# Altium PCB spin5v1_simple.PcbDoc (part 13 of 25) (continued)
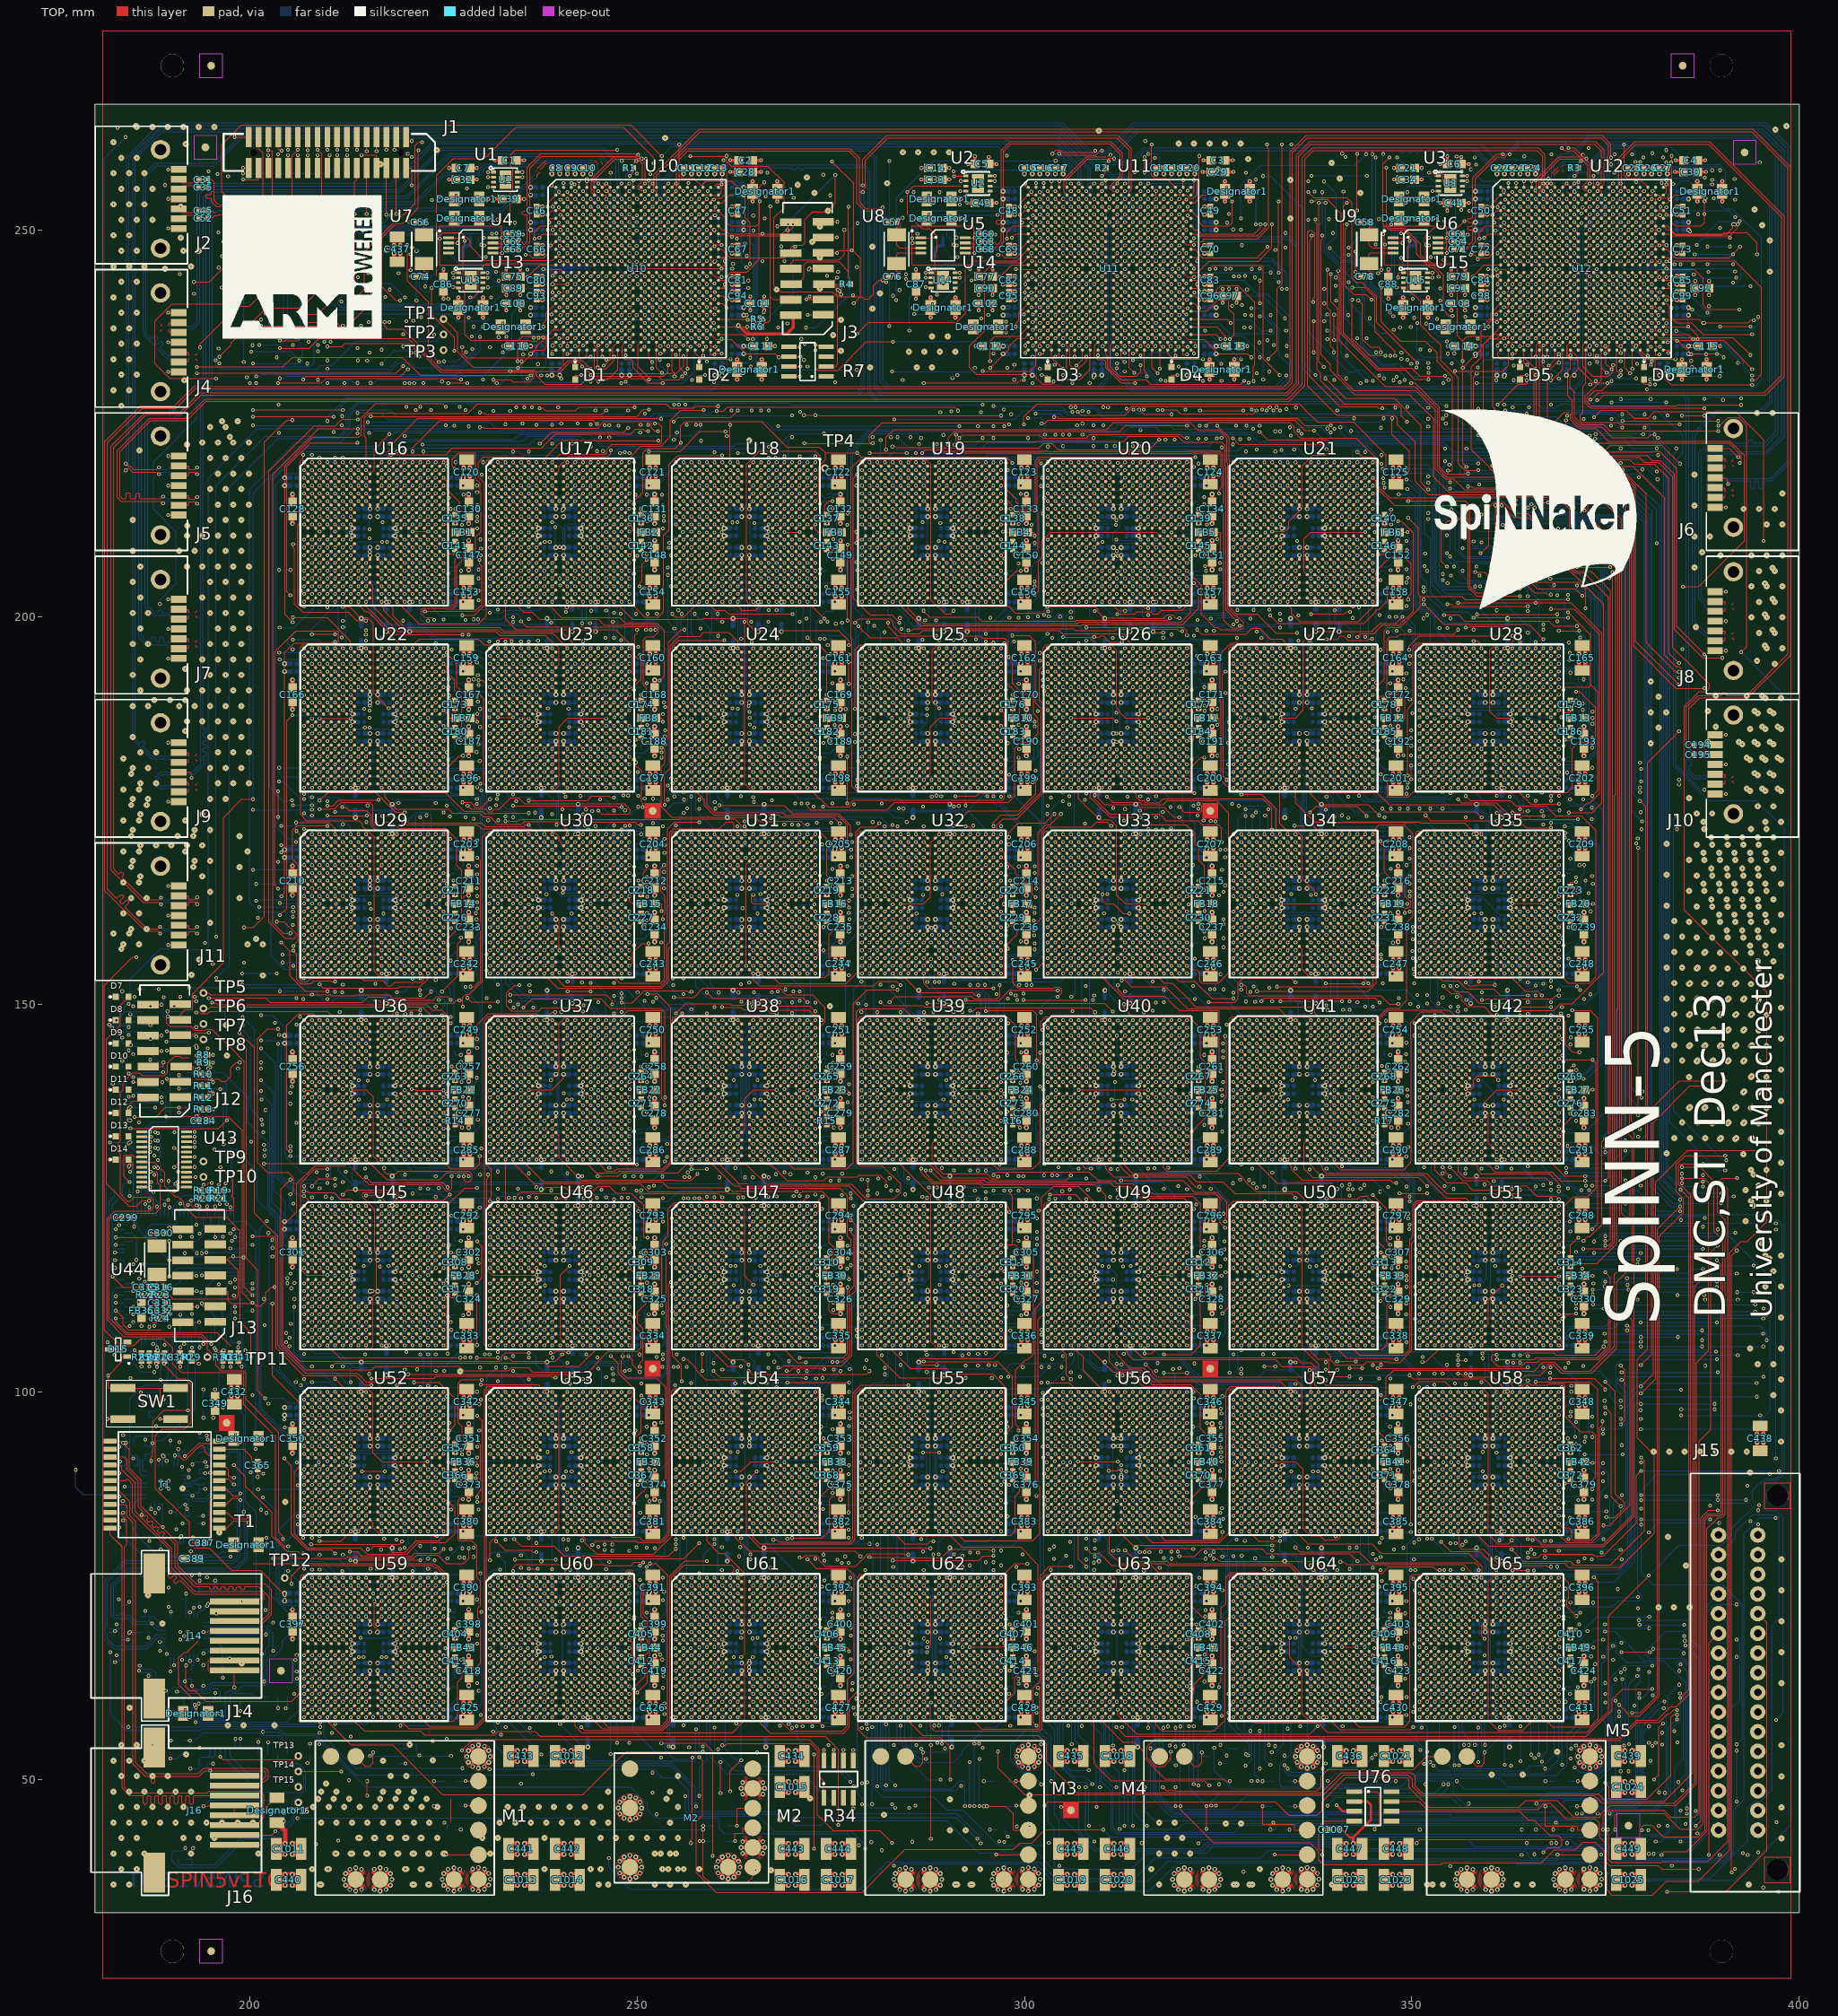
[diagram p0: TOP view]
## Nets (pads, with @x,y where several pads share a name; then routed paths per layer and width w, separated by ;. In a path a pad name is that pad's centre, name@x,y a point inside that pad or via, vN(x,y) a via of type N, cw(c..) or ccw(c..) an arc to the next point about the centre after c; other vN are vias at no path point) (continued)
  BOTTOM w0.127: v1(357,59) 357.431,58.569 357.431,57.945 358.003,57.373 358.588,57.373 359.033,56.928 359.033,54.074 359.351,53.756 359.749,53.756 361.4,55.407 v1(361.4,56.735) ; v1(373.747,216.177) 377.821,216.177 380.806,213.192 380.806,126.602 383.473,123.935 v1(384.656,123.935)
  other v1: 361.901,241.931
S32_L5<15>: U12.P3 U65.T7 | length 66.8
  BOTTOM w0.127: v1(357,60) 356.568,59.568 356.568,56.032 356.965,55.635 356.977,55.635 v1(358.171,54.441) ; v1(358.394,206.524) 358.825,206.955 366.583,206.955 366.782,206.756 366.782,205.126 368.243,203.665 372.197,203.665 373.658,202.204 373.658,191.09 373.773,190.975 373.773,186.674 v1(373.342,186.243) ; v1(358.532,232.271) 359.519,233.258 361.831,233.258 362.53,233.957 362.53,241.53 v1(363,242) ; v1(372.916,126.032) 379.132,126.032 379.926,125.238 379.926,125.233 381.831,123.328 v1(384.66,123.328)
  other v1: 372.865,164.4
S33_L0<0>: U12.P4 U64.R11 | length 44.8
  BOTTOM w0.127: v1(338,61) 337.569,61.431 336.768,61.431 336.569,61.232 336.569,55.456 336.823,55.202 336.843,55.202 337.179,54.866 350.05,54.866 v1(351.151,53.765) ; v1(367.599,224.47) 374.728,224.47 375.152,224.046 379.64,224.046 v1(380.071,224.477) ; v1(378.049,54.517) 378.049,62.231 v1(379.134,63.316)
  other v1: 337,60 379.486,178.015 379.486,181.229 364,242
S33_L0<1>: U12.P5 U64.V10
  other v1: 337,58 358.1,241.465 365,242
S33_L0<2>: U12.P6 U64.U10 | length 8
  BOTTOM w0.127: v1(366,242) 366.431,241.569 368.232,241.569 368.431,241.768 368.431,244.362 v1(369,244.931) ; v1(386.123,233.967) v1(388.042,233.967)
  other v1: 351.758,49.35 341.085,56.842 337,59 387.888,103.368 387.601,127.99
S33_L0<3>: U12.P7 U64.T10 | length 77.8
  BOTTOM w0.127: 337,60 337.431,59.569 337.431,56.073 338.384,55.12 350.439,55.12 351.582,53.977 v1(351.582,51.978) ; v1(355.84,49.75) 356.835,48.755 372.422,48.755 375.661,51.994 375.661,63.073 377.249,64.661 v1(381.091,64.661) ; v1(369.4,217.185) 369.831,217.185 370.146,216.87 378.72,216.87 381.641,213.949 v1(381.641,209.558)
  other v1: 367,242
S33_L0<4>: U12.P8 U64.R10
  other v1: 337,61 347.735,79.663 356.977,80.693 368,242
S33_L0<5>: U12.R1 U64.V11
  other v1: 338,58 361.099,241.066
S33_L0<6>: U12.R3 U64.U11
  other v1: 338,59 363,241
S33_L0<7>: U12.R4 U64.T11
  other v1: 338,60 346.116,60.607 362.951,66.931 364,153.351 364,241
S33_L0<8>: U12.R7 U64.R9
  other v1: 335,61 335.4,197 367,199.08 367,241
S33_L0<9>: U12.R8 U64.V8 | length 14.9
  BOTTOM w0.127: v1(334,56.524) v1(334,58) ; v1(368,241) 368.432,240.568 368.432,234.562 v1(369,233.994) ; v1(373.542,117.954) v1(379.594,117.954)
  other v1: 379.613,90.91 366,230.661 366,231.268 366,232.069 366,233.625 369,233.625 368.099,235.066 368,236 363,237 361.901,247
S33_L0<10>: U12.T1 U64.U8 | length 44.2
  TOP w0.127: v1(369.927,225.409) 369.927,224.978 369.634,224.685 369.634,223.01 371.095,221.549 371.138,221.549 371.355,221.332 381.192,221.332 381.23,221.37 382.045,221.37 384.204,219.211 384.204,198.79 v1(387.8,195.194)
  other v1: 334,59
S33_L0<11>: U12.T2 U64.T8 | length 15.5
  BOTTOM w0.127: v1(362.465,225.822) 366.27,225.822 366.356,225.908 368.581,225.908 369.511,224.978 374.653,224.978 374.83,225.155 375.984,225.155 376.183,224.956 376.183,224.922 376.628,224.477 v1(377.206,224.477)
  other v1: 334,60 377.001,96.492 361.932,240
S33_L0<12>: U12.T3 U64.R8
  other v1: 334,61 362.992,90.965 363,240
S33_L0<13>: U12.T4 U64.V9 | length 125.5
  BOTTOM w0.127: v1(335,58) 334.431,57.431 334.431,53.268 332.978,51.815 332.978,49.265 333.234,49.009 348.541,49.009 349.713,50.181 361.273,50.181 362.445,49.009 372.295,49.009 375.407,52.121 375.407,64.99 375.427,65.01 375.427,66.626 v1(376.001,67.2) ; v1(363.4,214.518) 363.959,214.518 364.718,215.277 366.819,215.277 366.858,215.238 376.996,215.238 380.044,212.19 380.044,175.308 v1(379.566,174.83)
  other v1: 364,240
S33_L0<14>: U12.T5 U64.U9
  other v1: 335,59 365,240
S33_L0<15>: U12.T6 U64.T9
  other v1: 335,60 335.8,223.667 366,240
S33_L1<0>: U64.V16 U65.D7
  other v1: 343,58 353,66.931 357,73
S33_L1<1>: U64.V14 U65.A6
  other v1: 341,58 356,76
S33_L1<2>: U64.U14 U65.B6
  other v1: 341,59 346.001,60 356,75
S33_L1<3>: U64.T14 U65.C6 | length 10.1
  BOTTOM w0.127: 341,60 341.431,60.431 345.05,60.431 345.685,61.066 v1(345.685,66)
  other v1: 356,74
S33_L1<4>: U64.R14 U65.D6
  other v1: 341,61 356,73
S33_L1<5>: U64.V15 U65.A7 | length 34.7
  TOP w0.127: v1(342,58) 343.216,56.784 349.074,56.784 349.773,57.483 349.773,76.05 350.154,76.431 356.569,76.431 v1(357,76)
S33_L1<6>: U64.U15 U65.B7 | length 32.6
  BOTTOM w0.127: v1(342,59) 342.431,58.569 342.431,57.942 342.939,57.434 352.05,57.434 352.431,57.815 352.431,62.055 352.876,62.5 356.113,62.5 356.431,62.818 356.431,74.431 v1(357,75)
S33_L1<7>: U64.T15 U65.C7 | length 6.9
  TOP w0.127: v1(350.393,67.467) v1(350.393,74.4)
  other v1: 342,60 357,74
S33_L1<8>: U64.R13 U65.D5
  other v1: 340,61 349.255,69 355,73
S33_L1<9>: U64.V12 U65.A3 | length 15.4
  BOTTOM w0.127: v1(339,58) 338.568,58.432 338.568,61.177 338.822,61.431 344.05,61.431 344.431,61.812 344.431,64.187 344.113,64.505 343.823,64.505 343.569,64.759 343.569,66.254 343.951,66.636 v1(343.951,67.067)
  other v1: 353,76
S33_L1<10>: U64.U12 U65.A4
  other v1: 339,59 354,76
S33_L1<11>: U64.T12 U65.B4 | length 28.5
  BOTTOM w0.127: v1(339,60) 339.391,60 339.822,59.569 346.215,59.569 347.104,60.458 347.104,61.651 349.009,63.556 353.177,63.556 353.431,63.81 353.431,74.431 v1(354,75)
S33_L1<12>: U64.R12 U65.C4
  other v1: 339,61 354,74
S33_L1<13>: U64.V13 U65.A5 | length 12.8
  BOTTOM w0.127: v1(340,58) 340,57.266 341.207,56.059 350.69,56.059 v1(351.319,56.688)
  other v1: 355,76
S33_L1<14>: U64.U13 U65.B5
  other v1: 340,59 349.167,71.4 355,75
S33_L1<15>: U64.T13 U65.C5
  other v1: 340,60 355,74
S33_L2<0>: U57.R5 U64.R16 | length 1.9
  TOP w0.127: v1(341.001,67.067) v1(342.901,67.067)
  other v1: 343,61 331,85
S33_L2<1>: U57.V3 U64.N15 | length 29.6
  TOP w0.127: 329,82 330.25,80.75 v1(333.001,80.75)
  BOTTOM w0.127: v1(333.001,80.75) 333.001,79.501 333.382,79.12 334.796,79.12 335.685,78.231 335.685,64.511 336.765,63.431 341.569,63.431 342,63
S33_L2<2>: U57.V4 U64.N16
  other v1: 326.569,59.57 343,63 330,82
S33_L2<3>: U57.U4 U64.N17
  other v1: 344,63 326.569,65.43 330,83
S33_L2<4>: U57.T4 U64.N18
  other v1: 345,63 326.786,66.931 330,84
S33_L2<5>: U57.V5 U64.P16 | length 12.1
  BOTTOM w0.127: v1(331,77.116) 331.432,76.684 331.432,74.939 331.94,74.431 333.232,74.431 333.431,74.232 333.431,67.727 333.066,67.362 v1(333.066,66.931)
  other v1: 343,62 331,82
S33_L2<6>: U57.U5 U64.P17 | length 31.8
  BOTTOM w0.127: 331,83 331.432,82.568 331.432,79.475 331.813,79.094 332.571,79.094 332.799,78.866 334.637,78.866 335.431,78.072 335.431,63.955 336.955,62.431 343.569,62.431 344,62
S33_L2<7>: U57.T5 U64.P18
  other v1: 345,62 331,84
S33_L2<8>: U57.R7 U64.V18
  other v1: 345,58 333,85
S33_L2<9>: U57.V6 U64.R17
  other v1: 344,61 332,82
S33_L2<10>: U57.U6 U64.R18 | length 35
  BOTTOM w0.127: v1(332,83) 332.569,82.431 333.187,82.431 333.505,82.113 333.505,81.848 333.95,81.403 334.224,81.403 335.939,79.688 335.939,67.077 337.082,65.934 338.461,65.934 338.561,66.034 338.561,66.291 339.768,67.498 344.177,67.498 344.431,67.244 344.431,65.939 344.939,65.431 345.232,65.431 345.431,65.232 345.431,61.822 345,61.391 345,61
  other v1: 329,82 334,82 331,83
S33_L2<11>: U57.T6 U64.T16
  other v1: 343,60 332,84
S33_L2<12>: U57.R6 U64.T17
  other v1: 344,60 333,81.381 332,85
S33_L2<13>: U57.V7 U64.T18
  other v1: 345,60 326.343,61 333,82 325.291,82.692
S33_L2<14>: U57.U7 U64.U17
  other v1: 344,59 335,68.258 333,83
S33_L2<15>: U57.T7 U64.U18
  other v1: 345,59 333,84
S33_L5<0>: U12.T7 U64.R5 | length 88.2
  BOTTOM w0.127: v1(331,61) 330.569,60.569 330.569,57.439 331.085,56.923 331.085,52.521 v1(331.758,51.848) ; v1(366,244.931) 365.569,244.5 365.569,239.768 365.768,239.569 366.569,239.569 v1(367,240) ; v1(373.547,214.161) 375.943,214.161 378.42,211.684 378.42,174.94 v1(379.73,173.63) ; v1(385.188,68.476) 385.657,68.476 387.372,66.761 387.372,43.496 v1(386.896,43.02)
  other v1: 351.042,43.498 365.166,227.115
S33_L5<1>: U12.U1 U64.V3 | length 106.6
  TOP w0.127: v1(329,58) 329.727,57.273 338.105,57.273 338.304,57.074 338.304,56.876 339.13,56.05 372.676,56.05 375.407,58.781 375.407,71.07 v1(380.631,76.294) ; v1(347.152,259.368) 346.321,258.537 346.321,250.744 347.083,249.982 348.955,249.982 350.67,248.267 350.67,246.875 352.385,245.16 352.713,245.16 353.475,244.398 v1(353.475,243.965)
  BOTTOM w0.127: v1(380.631,76.294) 384.518,80.181 389.985,80.181 391.319,81.515 391.319,82.327 394.367,85.375 v1(394.847,85.375)
  other v1: 360.935,239.099 389,254.1
S33_L5<2>: U12.U3 U64.V4 | length 42
  BOTTOM w0.127: v1(326.499,102.47) 326.499,114.12 326.88,114.501 330.118,114.501 330.499,114.882 330.499,137.115 330.88,137.496 333.39,137.496 333.636,137.742 v1(334.067,137.742)
  other v1: 330,58 326.499,68.43 353,148.607 363,239 353.675,240.899
S33_L5<3>: U12.U4 U64.U4
  other v1: 349.317,58.293 330,59 356.931,66.931 365,67.066 365,209.76 364.866,226.253 364,239
S33_L5<4>: U12.U6 U64.T4
  other v1: 330,60 370.455,61 371.505,78.084 366,239
S33_L5<5>: U12.V1 U64.V5 | length 74.1
  TOP w0.127: U12.V1@361.5,238.5 360.044,238.5 359.091,237.547 359.091,237.072 358.962,236.943 358.962,233.579 357.715,232.332 357.715,221.613 358.795,220.533 358.842,220.533 361.313,218.062 377.386,218.062 378.656,216.792 378.656,196.307 384.117,190.846 v1(387.801,190.846)
  other v1: 380.54,43.42 366.043,43.5 331,58
S33_L5<6>: U12.V2 U64.U5 | length 17
  TOP w0.127: v1(365,205.534) 365.968,204.566 371.512,204.566 372.465,203.613 v1(372.465,201.159)
  BOTTOM w0.127: v1(373.316,126.639) v1(379.594,126.639)
  other v1: 381.072,54.287 356.762,54.442 331,59 365.001,217.185 362.069,238.099
S33_L5<7>: U12.V3 U64.T5 | length 70.2
  BOTTOM w0.127: v1(331,60) 331.431,60.431 332.232,60.431 332.431,60.232 332.431,54.759 332.369,54.697 v1(332.369,54.266) ; v1(362.065,226.684) 370.467,226.684 370.657,226.494 376.183,226.494 376.691,225.986 376.691,225.969 376.89,225.77 v1(381.345,225.77) ; v1(364.843,41.765) 365.274,42.196 370.496,42.196 371.134,41.558 376.8,41.558 377.154,41.204 379.612,41.204 381.039,42.631 382.726,42.631 384.25,44.155 384.25,46.722 385.623,48.095 385.623,63.952 v1(384.721,64.854)
  other v1: 363,238
S33_L5<8>: U12.V5 U64.R7 | length 44.5
  BOTTOM w0.127: v1(349.865,77) 349.865,77.431 349.864,77.432 349.864,78.612 350.118,78.866 358.637,78.866 359.431,78.072 359.431,73.701 360.701,72.431 364.232,72.431 364.431,72.232 364.431,67.014 364.876,66.569 367.089,66.569 367.47,66.95 367.47,66.998 v1(367.901,66.998) ; v1(363.4,209.672) 363.831,209.672 364.174,209.329 365.47,209.329 365.9,209.759 369.561,209.759 370.26,209.06 370.26,209.016 370.657,208.619 v1(371.743,208.619) ; v1(373.371,113.191) v1(378,113.191)
  other v1: 333,61 377.097,67.6 346,77 365,238
S33_L5<9>: U12.V7 U64.V6 | length 10
  BOTTOM w0.127: v1(377.442,54.372) 377.442,56.117 377.643,56.318 377.643,63.668 377.512,63.799 v1(377.512,64.23)
  other v1: 333.569,53.05 332,58 374.9,98.854 377,98.854 367,238
S33_L5<10>: U12.W1 U64.U6
  other v1: 332,59 333.794,237
S33_L5<11>: U12.W3 U64.T6 | length 145.7
  BOTTOM w0.127: v1(331.568,54.442) 331.568,59.568 v1(332,60) ; 363,237 363.569,236.431 365.232,236.431 365.431,236.232 365.431,232.698 367.527,230.602 v1(368,230.602) ; v1(367.599,215.923) 363.541,215.923 362.969,215.351 362.969,214.336 363.668,213.637 365.356,213.637 365.647,213.346 371.251,213.346 371.617,212.98 375.689,212.98 377.912,210.757 377.912,138.15 v1(379.681,136.381) ; v1(371.038,51.535) 371.641,50.932 373.816,50.932 375.023,52.139 375.023,57.249 374.545,57.727 374.545,64.94 375.173,65.568 375.173,67.059 375.745,67.631 376.237,67.631 376.491,67.377 376.491,66.362 377.761,65.092 381.269,65.092 381.777,64.584 381.777,61.48 v1(381.136,60.839)
S33_L5<12>: U12.W4 U64.R6
  other v1: 332,61 364,237
S33_L5<13>: U12.W6 U64.V7
  other v1: 338.492,51.363 367.231,51.363 333,58 376.001,65.43 375,97.2 366,237
S33_L5<14>: U12.Y1 U64.U7 | length 36.5
  TOP w0.127: U12.Y1@361.5,236.5 360.534,236.5 359.264,235.23 359.264,225.97 v1(362.642,222.592)
  BOTTOM w0.127: v1(362.642,222.592) 363.073,222.592 363.365,222.3 369.98,222.3 370.559,222.879 373.001,222.879 373.432,222.448 376.353,222.448 v1(377,221.801) ; v1(364.065,52.324) v1(364.065,56.842)
  other v1: 333,59 374.976,61
S33_L5<15>: U12.Y2 U64.T7 | length 152.1
  TOP w0.127: U12.Y2@362.5,236.5 361.931,235.931 360.684,235.931 360.485,235.732 360.485,227.151 362.835,224.801 364.369,224.801 v1(364.8,224.37) ; v1(379.249,112.934) 380.211,113.896 380.211,175.556 v1(379.483,176.284)
  BOTTOM w0.127: v1(331.939,53.481) 332.415,53.481 333.431,54.497 333.431,59.569 v1(333,60) ; v1(365.469,214.592) 366.349,214.592 366.819,214.122 370.012,214.122 370.482,214.592 376.197,214.592 378.674,212.115 378.674,177.093 v1(379.483,176.284) ; v1(379.249,112.934) 389.323,112.934 390.361,111.896 v1(392.103,111.896)
  other v1: 364.243,43.497
S34_L0<0>: U12.T8 U63.R11
  other v1: 383.6,38.835 314,61 321.431,61.57 368,240 330.402,245 339.826,249.6 315.603,261.463
S34_L0<1>: U12.U8 U63.V10
  other v1: 313,58 325.969,115.468 317,186.995 332.4,221.4 368,239
S34_L0<2>: U12.W8 U63.U10 | length 114.8
  BOTTOM w0.127: 313,59 313.431,58.569 313.431,43.95 313.812,43.569 319.85,43.569 320.586,44.305 372.774,44.305 v1(374.039,45.57) ; 368,237 367.568,236.568 367.568,232.148 367.822,231.894 368.365,231.894 369,231.259 v1(369,230.797) ; v1(371.991,45.57) 373.485,47.064 378.692,47.064 379.454,47.826 379.454,57.316 382.185,60.047 v1(382.641,60.047) ; v1(373.698,223.048) 377.315,223.048 378.562,221.801 v1(381.641,221.801)
S34_L0<3>: U12.Y3 U63.T10 | length 193.8
  BOTTOM w0.127: v1(313,60) 313.431,60.431 316.201,60.431 316.455,60.177 316.455,57.834 316.962,57.327 316.962,48.045 319.248,45.759 369.302,45.759 369.62,46.077 369.62,47.119 369.819,47.318 378.565,47.318 379.2,47.953 379.2,59.841 378.971,60.07 378.971,62.027 379.565,62.621 379.565,63.515 379.311,63.769 379.283,63.769 v1(379.283,64.2) ; v1(363.4,215.125) 363.831,215.125 364.237,215.531 367.073,215.531 367.112,215.492 377.25,215.492 380.298,212.444 380.298,135.363 v1(379.678,134.743)
  other v1: 363,236
S34_L0<4>: U12.Y5 U63.R10 | length 111.7
  BOTTOM w0.127: v1(313,61) 312.569,60.569 312.569,59.812 312.95,59.431 315.178,59.431 315.496,59.113 315.496,57.867 316.29,57.073 316.311,57.073 316.708,56.676 316.708,47.924 319.185,45.447 354.862,45.447 355.17,45.139 372.231,45.139 372.676,45.584 372.676,45.627 373.629,46.58 378.755,46.58 379.708,47.533 379.708,56.814 382.058,59.164 v1(382.549,59.164) ; v1(365.4,220.126) 365.831,220.126 366.032,219.925 370.264,219.925 370.706,220.367 380.09,220.367 v1(381.641,218.816)
  other v1: 365,236
S34_L0<5>: U12.Y6 U63.V11 | length 142.9
  BOTTOM w0.127: v1(314,44) v1(314,58) ; v1(365.899,214.161) 366.46,213.6 371.688,213.6 372.054,213.234 375.943,213.234 378.166,211.011 378.166,139.497 v1(379.682,137.981) ; v1(379.331,70.537) 385.555,70.537 385.873,70.219 385.873,69.862 385.079,69.068 382.795,69.068 380.318,66.591 380.318,66.045 380.763,65.6 385.088,65.6 386.168,64.52 386.168,45.036 v1(385.342,44.21)
  other v1: 366,236
S34_L0<6>: U12.Y7 U63.U11 | length 15.9
  BOTTOM w0.127: v1(314,59) 314.431,58.569 314.431,57.26 314.259,57.088 314.259,45.536 v1(315.795,44)
  other v1: 310,58 315,58 394.735,82.897 394.735,84.728 367,236 394.94,258.7
S34_L0<7>: U12.Y8 U63.T11 | length 27.7
  BOTTOM w0.127: v1(321.861,49.38) v1(321.861,56.842) ; 368,236 368,233.817 368.254,233.563 368.293,233.563 v1(369,232.856) ; v1(373.747,219.505) 380.1,219.505 380.799,218.806 380.799,218.751 v1(381.741,217.809) ; v1(381.933,48.3) 381.933,55.579 v1(382.364,56.01)
  other v1: 314,60
S34_L0<8>: U12.AA1 U63.R9 | length 40.8
  TOP w0.127: v1(325.569,110.154) 326.4,110.985 326.4,124.035 326.972,124.607 v1(331.034,124.607) ; v1(328,152.541) 328.431,152.541 328.685,152.287 328.685,151.504 329.066,151.123 346.026,151.123 347.083,150.066 v1(348.268,150.066)
  other v1: 311,61 351,175.297 361.099,235.066
S34_L0<9>: U12.AA2 U63.V8 | length 66.8
  TOP w0.127: 310,58 310,57.534 312.731,54.803 314.162,54.803 315.496,53.469 315.496,52.732 318.163,50.065 325.769,50.065 326.084,49.75 v1(326.515,49.75) ; v1(361.842,219.633) 363.159,218.316 377.513,218.316 378.91,216.919 378.91,196.887 v1(384.52,191.277)
  other v1: 385.268,67.869 362.099,235.067
S34_L0<10>: U12.AA4 U63.U8 | length 17.4
  TOP w0.127: v1(370.065,224.039) 370.065,223.073 371.335,221.803 371.392,221.803 371.609,221.586 375.025,221.586 375.671,222.232 382.254,222.232 v1(384.645,219.841)
  other v1: 329.333,49.763 377.999,51.022 298.168,56.913 310,59 384.89,128.166 364,203.735 368.8,206.005 364,235
S34_L0<11>: U12.AA6 U63.T8 | length 314.3
  TOP w0.127: v1(320.138,46.549) 320.138,46.096 324.415,41.819 336.87,41.819 337.942,40.747 337.942,40.398 338.016,40.324 338.016,39.564 338.598,38.982 340.036,38.982 340.04,38.978 353.853,38.978 354.072,39.197 366.752,39.197 368.434,40.879 371.144,40.879 372.148,41.883 373.717,41.883 374.895,40.705 374.895,38.291 375.243,37.943 375.243,35.683 375.862,35.064 381.12,35.064 382.902,36.846 387.03,36.846 391.065,40.881 391.065,117.982 392.526,119.443 393.325,119.443 395.865,121.983 395.865,151.597 390.658,156.804 390.62,156.804 385.222,162.202 385.222,188.51 387.127,190.415 388.041,190.415 388.486,190.86 388.486,191.334 385.311,194.509 385.284,194.509 383.696,196.097 383.696,218.171 381.854,220.013 380.021,220.013 379.413,220.621 370.949,220.621 370.529,221.041 368.712,221.041 366.108,223.645 366.108,235.108 U12.AA6@366.5,235.5
  BOTTOM w0.127: v1(320.138,46.549) v1(320.138,56.807)
  other v1: 310,60
S34_L0<12>: U12.AB4 U63.R8 | length 130.6
  TOP w0.127: v1(318.743,54.372) 319.364,54.993 376.799,54.993 379.15,57.344 381.937,57.344 382.952,58.359 383.234,58.359 383.806,58.931 v1(384.253,58.931) ; U12.AB4@364.5,234.5 364.5,232.916 365.831,231.585 365.831,223.518 368.562,220.787 370.065,220.787 370.485,220.367 378.143,220.367 378.751,219.759 381.346,219.759 383.188,217.917 383.188,195.41 v1(384.52,194.078)
  BOTTOM w0.127: v1(310,61) 310.391,61 310.822,60.569 311.045,60.569 311.442,60.172 v1(311.442,54.372)
S34_L0<13>: U12.AB5 U63.V9 | length 131.9
  BOTTOM w0.127: v1(311,58) 311,52.063 311.889,51.174 311.917,51.174 312.314,50.777 v1(312.314,43.6) ; v1(365.4,218.747) 365.831,218.747 366.199,218.379 377.844,218.379 377.97,218.505 379.727,218.505 380.854,217.378 380.865,217.378 382.326,215.917 382.326,127.324 384.422,125.228 v1(391.58,125.228)
S34_L0<14>: U12.AB6 U63.U9 | length 178.1
  TOP w0.127: v1(323.519,43.6) v1(323.519,46.549) ; U12.AB6@366.5,234.5 366.5,223.645 368.85,221.295 370.993,221.295 371.413,220.875 380.429,220.875 381.037,220.267 382.108,220.267 383.95,218.425 383.95,198.383 387.57,194.763 v1(390.093,194.763) ; v1(375.331,43.498) 375.331,42.882 375.417,42.796 375.417,39.603 375.77,39.25 382.156,39.25 382.315,39.409 388.207,39.409 390.811,42.013 390.811,126.195 v1(390.093,126.913)
  BOTTOM w0.127: v1(321.254,56.842) 321.254,48.814 v1(323.519,46.549)
  other v1: 311,59
S34_L0<15>: U12.AB7 U63.T9 | length 38.3
  TOP w0.127: v1(312.067,59) 312.067,58.236 313.083,57.22 313.089,57.22 314.498,55.811 336.842,55.811 v1(337.873,56.842) ; v1(372.747,216.177) 372.747,213.119 375.732,210.134 376.184,210.134 376.383,209.935 376.383,208.692 375.957,208.266 v1(375.957,207.835)
  other v1: 338.892,52.049 370.548,52.662 311,60
S34_L1<0>: U63.V16 U64.D7 | length 10.6
  TOP w0.127: v1(319,58) 319.431,57.569 321.232,57.569 321.431,57.768 321.431,60.74 321.94,61.249 321.94,62.269 322.956,63.285 322.965,63.285 323.362,63.682 323.362,64.274 323.267,64.369 v1(323.267,64.8)
  other v1: 333,73
S34_L1<1>: U63.V14 U64.A6 | length 35.4
  TOP w0.127: v1(317,58) 317,56.973 317.762,56.211 324.515,56.211 325.912,57.608 325.912,70.338 326.513,70.939 326.513,76.177 326.767,76.431 331.569,76.431 v1(332,76)
S34_L1<2>: U63.U14 U64.B6 | length 20.9
  TOP w0.127: v1(325.115,61.892) 325.115,62.323 325.42,62.628 325.42,72.125 326.005,72.71 326.005,76.05 326.64,76.685 331.254,76.685 331.569,77 v1(332,77)
  other v1: 317,59 332,75
S34_L1<3>: U63.T14 U64.C6
  other v1: 317,60 332,74 325.574,74.4
S34_L1<4>: U63.R14 U64.D6
  other v1: 317,61 332,73
S34_L1<5>: U63.V15 U64.A7
  other v1: 318,58 323.247,62.6 317,67.067 333,76
S34_L1<6>: U63.U15 U64.B7 | length 8.1
  BOTTOM w0.127: v1(318,59) 318.547,58.453 v1(318.547,56.807) ; v1(329.8,78.528) 330.527,77.801 331.859,77.801 332.431,77.229 332.431,75.569 v1(333,75)
S34_L1<7>: U63.T15 U64.C7 | length 9.2
  BOTTOM w0.127: v1(330,66.931) 331.542,66.931 332.431,67.82 332.431,73.431 v1(333,74)
  other v1: 318,60
S34_L1<8>: U63.R13 U64.D5
  other v1: 316,61 331,73
S34_L1<9>: U63.V12 U64.A3
  other v1: 329,76
S34_L1<10>: U63.U12 U64.A4
  other v1: 326.368,58.6 315,59 330,76
S34_L1<11>: U63.T12 U64.B4
  other v1: 315,60 330,75
S34_L1<12>: U63.R12 U64.C4
  other v1: 315,61 330,74
S34_L1<13>: U63.V13 U64.A5 | length 22.2
  TOP w0.127: v1(316,56.642) v1(316,58)
  BOTTOM w0.127: v1(329.187,56.242) 329.187,56.673 329.431,56.917 329.431,75.05 329.812,75.431 330.431,75.431 v1(331,76)
S34_L1<14>: U63.U13 U64.B5
  other v1: 316,59 331,75 312.131,76.862
S34_L1<15>: U63.T13 U64.C5
  other v1: 316,60 331,74
S34_L2<0>: U56.R5 U63.R16
  other v1: 319,61 307,85
S34_L2<1>: U56.V3 U63.N15
  other v1: 318,63 305,82
S34_L2<2>: U56.V4 U63.N16 | length 15.3
  BOTTOM w0.127: v1(306,82) 306.431,81.569 306.431,67.637 v1(307.001,67.067)
  other v1: 319,63
S34_L2<3>: U56.U4 U63.N17 | length 18.5
  BOTTOM w0.127: v1(301.569,63.435) 304.05,63.435 304.431,63.816 304.431,77.896 v1(305.4,78.865)
  other v1: 320,63 306,83
S34_L2<4>: U56.T4 U63.N18 | length 12.7
  BOTTOM w0.127: v1(319,78.474) 319,77.662 318.569,77.231 318.569,67.768 319.268,67.069 v1(320.05,67.069)
  other v1: 321,63 308.001,78.358 306,84
S34_L2<5>: U56.V5 U63.P16 | length 5
  TOP w0.127: v1(307,82) 307,78.429 v1(308.001,77.428)
  other v1: 319,62
S34_L2<6>: U56.U5 U63.P17
  other v1: 320,62 307,83
S34_L2<7>: U56.T5 U63.P18
  other v1: 321,62 307,84
S34_L2<8>: U56.R7 U63.V18
  other v1: 321,58 309,85 302.569,86.43
S34_L2<9>: U56.V6 U63.R17 | length 15.3
  BOTTOM w0.127: v1(308,67.067) 307.569,67.498 307.569,81.569 v1(308,82)
  other v1: 320,61 321.431,62.43
S34_L2<10>: U56.U6 U63.R18
  other v1: 322.293,60 321,61 308,83
S34_L2<11>: U56.T6 U63.T16 | length 33.5
  BOTTOM w0.127: v1(308,84) 308.432,83.568 308.432,76.939 308.94,76.431 314.18,76.431 314.561,76.05 314.561,64.823 314.879,64.505 318.113,64.505 318.431,64.187 318.431,60.569 319,60
S34_L2<12>: U56.R6 U63.T17
  other v1: 320,60 308,85 302.569,85.431
S34_L2<13>: U56.V7 U63.T18 | length 31.7
  BOTTOM w0.127: v1(309,82) 309.597,81.403 310.233,81.403 310.741,80.895 310.741,79.103 311.313,78.531 312.202,78.531 312.537,78.866 314.653,78.866 316.431,77.088 316.431,65.939 316.939,65.431 320.232,65.431 320.431,65.232 320.431,60.569 v1(321,60)
  other v1: 310,82 311,87 311,95
S34_L2<14>: U56.U7 U63.U17
  other v1: 305.685,56.913 320,59 309.1,80.842 309,83
S34_L2<15>: U56.T7 U63.U18
  other v1: 321,59 309,84
S34_L4<0>: U12.R13 U63.D7 | length 14.4
  BOTTOM w0.127: v1(365,101.469) 365.431,101.469 365.69,101.728 367.186,101.728 367.676,101.238 371.118,101.238 372.896,99.46 372.896,94.595 v1(373.328,94.163)
  other v1: 309,73 373.457,113.991 373.342,135.546 374,241
S34_L4<1>: U12.T12 U63.A6 | length 33.3
  BOTTOM w0.127: v1(346.168,81.135) 348.381,81.135 349.15,81.904 v1(349.893,81.904) ; v1(368,80.749) 368.431,80.749 368.608,80.572 373.672,80.572 376.085,82.985 376.085,85.624 v1(377.128,86.667) ; v1(373,240) 372.569,240.431 372.569,244.232 373.268,244.931 v1(373.901,244.931) ; v1(379.622,86.667) v1(389.531,86.667)
  other v1: 308,76
S34_L4<2>: U12.U12 U63.B6 | length 104.7
  BOTTOM w0.127: v1(322.468,41.728) 322.936,42.196 357.231,42.196 358.123,41.304 376.694,41.304 377.201,40.797 380.21,40.797 v1(380.642,40.365) ; v1(322.468,49.18) 322.468,54.42 324.896,56.848 324.896,60.148 323.698,61.346 323.698,66.321 322.999,67.02 321.363,67.02 320.569,67.814 320.569,69.232 320.768,69.431 322.505,69.431 322.785,69.711 323.181,69.711 324.896,71.426 324.896,75.492 324.388,76 v1(322.597,76) ; v1(379.594,119.503) v1(389.513,119.503)
  other v1: 308,75 373,239
S34_L4<3>: U12.U13 U63.C6 | length 40.4
  BOTTOM w0.127: v1(303.034,66.931) 303.034,67.362 303.432,67.76 303.432,76.588 303.423,76.597 v1(303.423,77.028) ; v1(374,239) 373.569,239.431 373.569,244.232 373.768,244.431 374.035,244.431 374.432,244.828 374.432,248.05 374.813,248.431 380.232,248.431 380.431,248.232 380.431,245.955 380.939,245.447 383.226,245.447 383.669,245.004 390.957,245.004 391.323,244.638 v1(391.754,244.638)
  other v1: 308,74
S34_L4<4>: U12.V11 U63.D6 | length 32.8
  BOTTOM w0.127: v1(301.342,64.297) 300.896,63.851 300.896,57.032 298.253,54.389 298.253,52.393 299.714,50.932 300.59,50.932 v1(302.172,49.35) ; v1(375,114.229) v1(389.4,114.229)
  other v1: 307.431,56.877 299.227,62.351 308,73 388.531,85.345 371,238
S34_L4<5>: U12.V13 U63.A7 | length 42.6
  BOTTOM w0.127: v1(319,79.356) 318.431,78.787 318.431,78.352 318.034,77.955 317.469,77.955 317.024,77.51 317.024,76.889 317.432,76.481 317.432,67.955 318.956,66.431 321.227,66.431 321.862,65.796 321.862,60.195 321.163,59.496 320.887,59.496 320.569,59.178 v1(320.569,54.414) ; v1(377.101,102.531) v1(389.532,102.531)
  other v1: 364.19,40.235 374.462,40.267 309,76 309,77.028 375.952,210.565 374,238
S34_L4<6>: U12.W11 U63.B7 | length 44.7
  BOTTOM w0.127: v1(317.94,56.642) 317.94,53.407 v1(319.543,51.804) ; v1(371,237) 370.431,237.569 370.431,249.232 370.232,249.431 369.95,249.431 369.569,249.812 369.569,256.186 369.95,256.567 370.198,256.567 370.452,256.821 370.452,257.047 370.833,257.428 372.393,257.428 373.255,256.566 373.785,256.566 374.992,257.773 374.992,259.234 376.326,260.568 378.324,260.568 378.896,259.996 v1(378.896,258.774) ; v1(387.8,228.187) 388.231,228.187 388.524,228.48 391.89,228.48 392.125,228.245 v1(392.556,228.245)
  other v1: 309,75 341.456,259.415
S34_L4<7>: U12.W12 U63.C7 | length 93.7
  BOTTOM w0.127: v1(309,74) 309.431,74.431 311.24,74.431 311.939,73.732 311.939,63.447 312.955,62.431 317.232,62.431 317.431,62.232 317.431,47.96 319.273,46.118 326.889,46.118 328.68,47.909 353.741,47.909 354.724,48.892 v1(354.724,49.35) ; 373,237 372.568,236.568 372.568,231.876 373.521,230.923 376.439,230.923 376.532,230.83 v1(379,230.83) ; v1(379.594,105.865) v1(387.487,105.865)
S34_L4<8>: U12.W13 U63.D5
  other v1: 307,73 325.665,145 349.317,145.065 355.863,151.012 369,151.868 371.765,151.868 373.115,162.042 373.597,222.017 374,237
S34_L4<9>: U12.Y11 U63.A3 | length 98.8
  BOTTOM w0.127: v1(311.431,79.47) 313.364,81.403 314.205,81.403 315.539,80.069 320.28,80.069 321.875,78.474 v1(323.397,78.474) ; v1(367.2,78.638) 367.631,78.638 367.908,78.915 373.694,78.915 374.205,78.404 v1(377.128,78.404) ; 371,236 371.432,236.432 371.432,254.216 371.178,254.47 371.066,254.47 v1(371.066,254.901) ; v1(379.622,86.03) 388.762,86.03 389.163,85.629 393.41,85.629 394.045,86.264 394.045,87.264 395.633,88.852 397.106,88.852 397.868,89.614 397.868,121.557 397.233,122.192 v1(395.415,122.192)
  other v1: 305,76 356.6,77.101 342,77.136 383.766,255.927
S34_L4<10>: U12.Y12 U63.A4 | length 29.2
  BOTTOM w0.127: v1(345.8,74.865) 345.492,74.557 345.492,69.876 345.937,69.431 351.232,69.431 351.431,69.232 351.431,67.497 v1(351,67.066) ; v1(369,79.505) 369.431,79.505 369.623,79.697 376.463,79.697 376.569,79.591 v1(377,79.591) ; 373,236 373.47,235.53 374.108,235.53 374.362,235.276 374.362,232.8 375.569,231.593 376.295,231.593 376.57,231.868 v1(377.001,231.868)
  other v1: 306,76
S34_L4<11>: U12.Y13 U63.B4
  other v1: 306,75 369.827,103.131 318.569,128.935 374,236
S34_L4<12>: U12.AA12 U63.C4 | length 117.8
  BOTTOM w0.127: v1(302.172,54.517) 301.69,54.999 301.658,54.999 301.15,55.507 301.15,61.796 301.785,62.431 305.05,62.431 305.431,62.812 305.431,73.431 v1(306,74) ; v1(316.277,53.968) 316.277,47.797 318.881,45.193 338.86,45.193 339.168,44.885 372.358,44.885 373.184,45.711 373.184,45.754 373.756,46.326 379.009,46.326 379.962,47.279 379.962,56.13 v1(380.642,56.81) ; 371.465,227.179 381.925,227.179 v1(383.041,226.063)
S34_L4<13>: U12.AB11 U63.A5
  other v1: 307,76 304.798,103.204 306.2,149.158 367.9,207.816 327,210.931 308.9,222.084

## Text inside footprints (layer, text, board x,y; h text height)
U16: PIN_NUMBER "J18" at 224.166,211.5 h0.24; PIN_NUMBER "M17" at 223.166,208.5 h0.24; PIN_NUMBER "M18" at 224.166,208.5 h0.24; PIN_NUMBER "J17" at 223.166,211.5 h0.24; PIN_NUMBER "B18" at 224.166,218.5 h0.24; PIN_NUMBER "G16" at 222.166,213.5 h0.24; PIN_NUMBER "J16" at 222.166,211.5 h0.24; PIN_NUMBER "C17" at 223.166,217.5 h0.24; PIN_NUMBER "C18" at 224.166,217.5 h0.24; PIN_NUMBER "V8" at 213.854,202.5 h0.24; PIN_NUMBER "R9" at 214.854,205.5 h0.24; PIN_NUMBER "T11" at 217.166,204.5 h0.24; PIN_NUMBER "U11" at 217.166,203.5 h0.24; PIN_NUMBER "V11" at 217.166,202.5 h0.24; PIN_NUMBER "R10" at 215.936,205.5 h0.24; PIN_NUMBER "T10" at 215.936,204.5 h0.24; PIN_NUMBER "U10" at 215.936,203.5 h0.24; PIN_NUMBER "V10" at 215.936,202.5 h0.24; PIN_NUMBER "T9" at 214.854,204.5 h0.24; PIN_NUMBER "U9" at 214.854,203.5 h0.24; PIN_NUMBER "V9" at 214.854,202.5 h0.24; PIN_NUMBER "R8" at 213.854,205.5 h0.24; PIN_NUMBER "T8" at 213.854,204.5 h0.24; PIN_NUMBER "U8" at 213.854,203.5 h0.24; PIN_NUMBER "R11" at 217.166,205.5 h0.24; PIN_NUMBER "D16" at 222.166,216.5 h0.24; PIN_NUMBER "K15" at 221.166,210.5 h0.24; PIN_NUMBER "K16" at 222.166,210.5 h0.24; PIN_NUMBER "E18" at 224.166,215.5 h0.24; PIN_NUMBER "F16" at 222.166,214.5 h0.24; PIN_NUMBER "M16" at 222.166,208.5 h0.24; PIN_NUMBER "C16" at 222.166,217.5 h0.24; PIN_NUMBER "G17" at 223.166,213.5 h0.24; PIN_NUMBER "P14" at 220.166,206.5 h0.24; PIN_NUMBER "N13" at 219.166,207.5 h0.24; PIN_NUMBER "N14" at 220.166,207.5 h0.24; PIN_NUMBER "M12" at 218.166,208.5 h0.24; PIN_NUMBER "M13" at 219.166,208.5 h0.24; PIN_NUMBER "M14" at 220.166,208.5 h0.24; PIN_NUMBER "H12" at 218.166,212.5 h0.24; PIN_NUMBER "H13" at 219.166,212.5 h0.24; PIN_NUMBER "H14" at 220.166,212.5 h0.24; PIN_NUMBER "E7" at 212.854,215.5 h0.24; PIN_NUMBER "F7" at 212.854,214.5 h0.24; PIN_NUMBER "E8" at 213.854,215.5 h0.24; PIN_NUMBER "F8" at 213.854,214.5 h0.24; PIN_NUMBER "L5" at 210.854,209.5 h0.24; PIN_NUMBER "L7" at 212.854,209.5 h0.24; PIN_NUMBER "G7" at 212.854,213.5 h0.24; PIN_NUMBER "G5" at 210.854,213.5 h0.24; PIN_NUMBER "F5" at 210.854,214.5 h0.24; PIN_NUMBER "E5" at 210.854,215.5 h0.24; PIN_NUMBER "P11" at 217.166,206.5 h0.24; PIN_NUMBER "N11" at 217.166,207.5 h0.24; PIN_NUMBER "P12" at 218.166,206.5 h0.24; PIN_NUMBER "N12" at 218.166,207.5 h0.24; PIN_NUMBER "P13" at 219.166,206.5 h0.24; PIN_NUMBER "E6" at 211.854,215.5 h0.24; PIN_NUMBER "L6" at 211.854,209.5 h0.24; PIN_NUMBER "G6" at 211.854,213.5 h0.24; PIN_NUMBER "F6" at 211.854,214.5 h0.24; PIN_NUMBER "K12" at 218.166,210.5 h0.24; PIN_NUMBER "K13" at 219.166,210.5 h0.24; PIN_NUMBER "K14" at 220.166,210.5 h0.24; PIN_NUMBER "E10" at 215.936,215.5 h0.24; PIN_NUMBER "F10" at 215.936,214.5 h0.24; PIN_NUMBER "J5" at 210.854,211.5 h0.24; PIN_NUMBER "J7" at 212.854,211.5 h0.24; PIN_NUMBER "N9" at 214.854,207.5 h0.24; PIN_NUMBER "P9" at 214.854,206.5 h0.24; PIN_NUMBER "J6" at 211.854,211.5 h0.24; PIN_NUMBER "C13" at 219.166,217.5 h0.24; PIN_NUMBER "B13" at 219.166,218.5 h0.24; PIN_NUMBER "A13" at 219.166,219.5 h0.24; PIN_NUMBER "D14" at 220.166,216.5 h0.24; PIN_NUMBER "C14" at 220.166,217.5 h0.24; PIN_NUMBER "B14" at 220.166,218.5 h0.24; PIN_NUMBER "A14" at 220.166,219.5 h0.24; PIN_NUMBER "K17" at 223.166,210.5 h0.24; PIN_NUMBER "K18" at 224.166,210.5 h0.24; PIN_NUMBER "L15" at 221.166,209.5 h0.24; PIN_NUMBER "L16" at 222.166,209.5 h0.24; PIN_NUMBER "A8" at 213.854,219.5 h0.24; PIN_NUMBER "D9" at 214.854,216.5 h0.24; PIN_NUMBER "C11" at 217.166,217.5 h0.24; PIN_NUMBER "B11" at 217.166,218.5 h0.24; PIN_NUMBER "A11" at 217.166,219.5 h0.24; PIN_NUMBER "D10" at 215.936,216.5 h0.24; PIN_NUMBER "C10" at 215.936,217.5 h0.24; PIN_NUMBER "B10" at 215.936,218.5 h0.24; PIN_NUMBER "A10" at 215.936,219.5 h0.24; PIN_NUMBER "C9" at 214.854,217.5 h0.24; PIN_NUMBER "B9" at 214.854,218.5 h0.24; PIN_NUMBER "A9" at 214.854,219.5 h0.24; PIN_NUMBER "D8" at 213.854,216.5 h0.24; PIN_NUMBER "C8" at 213.854,217.5 h0.24; PIN_NUMBER "B8" at 213.854,218.5 h0.24; PIN_NUMBER "D11" at 217.166,216.5 h0.24; PIN_NUMBER "R17" at 223.166,205.5 h0.24; PIN_NUMBER "V18" at 224.166,202.5 h0.24; PIN_NUMBER "P18" at 224.166,206.5 h0.24; PIN_NUMBER "P17" at 223.166,206.5 h0.24; PIN_NUMBER "P16" at 222.166,206.5 h0.24; PIN_NUMBER "N18" at 224.166,207.5 h0.24; PIN_NUMBER "N17" at 223.166,207.5 h0.24; PIN_NUMBER "N16" at 222.166,207.5 h0.24; PIN_NUMBER "N15" at 221.166,207.5 h0.24; PIN_NUMBER "U18" at 224.166,203.5 h0.24; PIN_NUMBER "U17" at 223.166,203.5 h0.24; PIN_NUMBER "T18" at 224.166,204.5 h0.24; PIN_NUMBER "T17" at 223.166,204.5 h0.24; PIN_NUMBER "T16" at 222.166,204.5 h0.24; PIN_NUMBER "R18" at 224.166,205.5 h0.24; PIN_NUMBER "R16" at 222.166,205.5 h0.24; PIN_NUMBER "V12" at 218.166,202.5 h0.24; PIN_NUMBER "R13" at 219.166,205.5 h0.24; PIN_NUMBER "T15" at 221.166,204.5 h0.24; PIN_NUMBER "U15" at 221.166,203.5 h0.24; PIN_NUMBER "V15" at 221.166,202.5 h0.24; PIN_NUMBER "R14" at 220.166,205.5 h0.24; PIN_NUMBER "T14" at 220.166,204.5 h0.24; PIN_NUMBER "U14" at 220.166,203.5 h0.24; PIN_NUMBER "V14" at 220.166,202.5 h0.24; PIN_NUMBER "T13" at 219.166,204.5 h0.24; PIN_NUMBER "U13" at 219.166,203.5 h0.24; PIN_NUMBER "V13" at 219.166,202.5 h0.24; PIN_NUMBER "R12" at 218.166,205.5 h0.24; PIN_NUMBER "T12" at 218.166,204.5 h0.24; PIN_NUMBER "U12" at 218.166,203.5 h0.24; PIN_NUMBER "V16" at 222.166,202.5 h0.24; PIN_NUMBER "A3" at 208.854,219.5 h0.24; PIN_NUMBER "D5" at 210.854,216.5 h0.24; PIN_NUMBER "C7" at 212.854,217.5 h0.24; PIN_NUMBER "B7" at 212.854,218.5 h0.24; PIN_NUMBER "A7" at 212.854,219.5 h0.24; PIN_NUMBER "D6" at 211.854,216.5 h0.24; PIN_NUMBER "C6" at 211.854,217.5 h0.24; PIN_NUMBER "B6" at 211.854,218.5 h0.24; PIN_NUMBER "A6" at 211.854,219.5 h0.24; PIN_NUMBER "C5" at 210.854,217.5 h0.24; PIN_NUMBER "B5" at 210.854,218.5 h0.24; PIN_NUMBER "A5" at 210.854,219.5 h0.24; PIN_NUMBER "C4" at 209.854,217.5 h0.24; PIN_NUMBER "B4" at 209.854,218.5 h0.24; PIN_NUMBER "A4" at 209.854,219.5 h0.24; PIN_NUMBER "D7" at 212.854,216.5 h0.24; PIN_NUMBER "V6" at 211.854,202.5 h0.24; PIN_NUMBER "R7" at 212.854,205.5 h0.24; PIN_NUMBER "T5" at 210.854,204.5 h0.24; PIN_NUMBER "U5" at 210.854,203.5 h0.24; PIN_NUMBER "V5" at 210.854,202.5 h0.24; PIN_NUMBER "T4" at 209.854,204.5 h0.24; PIN_NUMBER "U4" at 209.854,203.5 h0.24; PIN_NUMBER "V4" at 209.854,202.5 h0.24; PIN_NUMBER "V3" at 208.854,202.5 h0.24; PIN_NUMBER "T7" at 212.854,204.5 h0.24; PIN_NUMBER "U7" at 212.854,203.5 h0.24; PIN_NUMBER "V7" at 212.854,202.5 h0.24; PIN_NUMBER "R6" at 211.854,205.5 h0.24; PIN_NUMBER "T6" at 211.854,204.5 h0.24; PIN_NUMBER "U6" at 211.854,203.5 h0.24; PIN_NUMBER "R5" at 210.854,205.5 h0.24; PIN_NUMBER "C15" at 221.166,217.5 h0.24; PIN_NUMBER "B15" at 221.166,218.5 h0.24; PIN_NUMBER "A15" at 221.166,219.5 h0.24; PIN_NUMBER "B16" at 222.166,218.5 h0.24; PIN_NUMBER "A16" at 222.166,219.5 h0.24; PIN_NUMBER "A17" at 223.166,219.5 h0.24; PIN_NUMBER "A18" at 224.166,219.5 h0.24; PIN_NUMBER "B17" at 223.166,218.5 h0.24; PIN_NUMBER "H16" at 222.166,212.5 h0.24; PIN_NUMBER "H15" at 221.166,212.5 h0.24; PIN_NUMBER "B12" at 218.166,218.5 h0.24; PIN_NUMBER "C12" at 218.166,217.5 h0.24; PIN_NUMBER "A12" at 218.166,219.5 h0.24; PIN_NUMBER "D13" at 219.166,216.5 h0.24; PIN_NUMBER "F17" at 223.166,214.5 h0.24; PIN_NUMBER "F18" at 224.166,214.5 h0.24; PIN_NUMBER "D17" at 223.166,216.5 h0.24; PIN_NUMBER "D18" at 224.166,216.5 h0.24; PIN_NUMBER "E16" at 222.166,215.5 h0.24; PIN_NUMBER "E17" at 223.166,215.5 h0.24; PIN_NUMBER "L12" at 218.166,209.5 h0.24; PIN_NUMBER "L13" at 219.166,209.5 h0.24; PIN_NUMBER "L14" at 220.166,209.5 h0.24; PIN_NUMBER "L17" at 223.166,209.5 h0.24; PIN_NUMBER "L18" at 224.166,209.5 h0.24; PIN_NUMBER "J12" at 218.166,211.5 h0.24; PIN_NUMBER "J13" at 219.166,211.5 h0.24; PIN_NUMBER "J14" at 220.166,211.5 h0.24; PIN_NUMBER "H17" at 223.166,212.5 h0.24; PIN_NUMBER "H18" at 224.166,212.5 h0.24; PIN_NUMBER "G12" at 218.166,213.5 h0.24; PIN_NUMBER "G13" at 219.166,213.5 h0.24; PIN_NUMBER "G14" at 220.166,213.5 h0.24; PIN_NUMBER "F13" at 219.166,214.5 h0.24; PIN_NUMBER "F14" at 220.166,214.5 h0.24; PIN_NUMBER "E14" at 220.166,215.5 h0.24; PIN_NUMBER "E9" at 214.854,215.5 h0.24; PIN_NUMBER "F9" at 214.854,214.5 h0.24; PIN_NUMBER "F11" at 217.166,214.5 h0.24; PIN_NUMBER "E11" at 217.166,215.5 h0.24; PIN_NUMBER "F12" at 218.166,214.5 h0.24; PIN_NUMBER "E12" at 218.166,215.5 h0.24; PIN_NUMBER "E13" at 219.166,215.5 h0.24; PIN_NUMBER "P5" at 210.854,206.5 h0.24; PIN_NUMBER "N5" at 210.854,207.5 h0.24; PIN_NUMBER "M5" at 210.854,208.5 h0.24; PIN_NUMBER "M7" at 212.854,208.5 h0.24; PIN_NUMBER "K5" at 210.854,210.5 h0.24; PIN_NUMBER "K7" at 212.854,210.5 h0.24; PIN_NUMBER "H5" at 210.854,212.5 h0.24; PIN_NUMBER "H7" at 212.854,212.5 h0.24; PIN_NUMBER "N7" at 212.854,207.5 h0.24; PIN_NUMBER "P7" at 212.854,206.5 h0.24; PIN_NUMBER "N8" at 213.854,207.5 h0.24; PIN_NUMBER "P8" at 213.854,206.5 h0.24; PIN_NUMBER "P10" at 215.936,206.5 h0.24; PIN_NUMBER "N10" at 215.936,207.5 h0.24; PIN_NUMBER "N6" at 211.854,207.5 h0.24; PIN_NUMBER "M6" at 211.854,208.5 h0.24; PIN_NUMBER "K6" at 211.854,210.5 h0.24; PIN_NUMBER "H6" at 211.854,212.5 h0.24; PIN_NUMBER "P6" at 211.854,206.5 h0.24; PIN_NUMBER "D12" at 218.166,216.5 h0.24; PIN_NUMBER "G15" at 221.166,213.5 h0.24; PIN_NUMBER "M15" at 221.166,208.5 h0.24; PIN_NUMBER "G18" at 224.166,213.5 h0.24; PIN_NUMBER "R15" at 221.166,205.5 h0.24; PIN_NUMBER "P15" at 221.166,206.5 h0.24; PIN_NUMBER "J15" at 221.166,211.5 h0.24; PIN_NUMBER "F15" at 221.166,214.5 h0.24; PIN_NUMBER "E15" at 221.166,215.5 h0.24; PIN_NUMBER "D15" at 221.166,216.5 h0.24; PIN_NUMBER "V17" at 223.166,202.5 h0.24; PIN_NUMBER "M3" at 208.854,208.5 h0.24; PIN_NUMBER "M1" at 206.624,208.5 h0.24; PIN_NUMBER "R4" at 209.854,205.5 h0.24; PIN_NUMBER "N2" at 207.854,207.5 h0.24; PIN_NUMBER "F3" at 208.854,214.5 h0.24; PIN_NUMBER "D1" at 206.624,216.5 h0.24; PIN_NUMBER "D4" at 209.854,216.5 h0.24; PIN_NUMBER "D3" at 208.854,216.5 h0.24; PIN_NUMBER "C3" at 208.854,217.5 h0.24; PIN_NUMBER "C2" at 207.854,217.5 h0.24; PIN_NUMBER "C1" at 206.624,217.5 h0.24; PIN_NUMBER "B3" at 208.854,218.5 h0.24; PIN_NUMBER "B2" at 207.854,218.5 h0.24; PIN_NUMBER "V2" at 207.854,202.5 h0.24; PIN_NUMBER "V1" at 206.624,202.5 h0.24; PIN_NUMBER "B1" at 206.624,218.5 h0.24; PIN_NUMBER "U3" at 208.854,203.5 h0.24; PIN_NUMBER "U2" at 207.854,203.5 h0.24; PIN_NUMBER "U1" at 206.624,203.5 h0.24; PIN_NUMBER "T3" at 208.854,204.5 h0.24; PIN_NUMBER "T2" at 207.854,204.5 h0.24; PIN_NUMBER "T1" at 206.624,204.5 h0.24; PIN_NUMBER "R2" at 207.854,205.5 h0.24; PIN_NUMBER "R1" at 206.624,205.5 h0.24; PIN_NUMBER "P4" at 209.854,206.5 h0.24; PIN_NUMBER "P3" at 208.854,206.5 h0.24; PIN_NUMBER "A2" at 207.854,219.5 h0.24; PIN_NUMBER "P2" at 207.854,206.5 h0.24; PIN_NUMBER "P1" at 206.624,206.5 h0.24; PIN_NUMBER "N4" at 209.854,207.5 h0.24; PIN_NUMBER "N3" at 208.854,207.5 h0.24; PIN_NUMBER "F2" at 207.854,214.5 h0.24; PIN_NUMBER "F1" at 206.624,214.5 h0.24; PIN_NUMBER "E4" at 209.854,215.5 h0.24; PIN_NUMBER "E3" at 208.854,215.5 h0.24; PIN_NUMBER "E2" at 207.854,215.5 h0.24; PIN_NUMBER "E1" at 206.624,215.5 h0.24; PIN_NUMBER "A1" at 206.624,219.5 h0.24; PIN_NUMBER "R3" at 208.854,205.5 h0.24; PIN_NUMBER "N1" at 206.624,207.5 h0.24; PIN_NUMBER "F4" at 209.854,214.5 h0.24; PIN_NUMBER "D2" at 207.854,216.5 h0.24; PIN_NUMBER "J4" at 209.854,211.5 h0.24; PIN_NUMBER "J3" at 208.854,211.5 h0.24; PIN_NUMBER "M4" at 209.854,208.5 h0.24; PIN_NUMBER "J1" at 206.624,211.5 h0.24; PIN_NUMBER "J2" at 207.854,211.5 h0.24; PIN_NUMBER "M2" at 207.854,208.5 h0.24; PIN_NUMBER "G1" at 206.624,213.5 h0.24; PIN_NUMBER "G2" at 207.854,213.5 h0.24; PIN_NUMBER "K4" at 209.854,210.5 h0.24; PIN_NUMBER "H2" at 207.854,212.5 h0.24; PIN_NUMBER "L1" at 206.624,209.5 h0.24; PIN_NUMBER "H1" at 206.624,212.5 h0.24; PIN_NUMBER "L2" at 207.854,209.5 h0.24; PIN_NUMBER "G4" at 209.854,213.5 h0.24; PIN_NUMBER "L3" at 208.854,209.5 h0.24; PIN_NUMBER "G3" at 208.854,213.5 h0.24; PIN_NUMBER "L4" at 209.854,209.5 h0.24; PIN_NUMBER "K1" at 206.624,210.5 h0.24; PIN_NUMBER "H4" at 209.854,212.5 h0.24; PIN_NUMBER "K3" at 208.854,210.5 h0.24; PIN_NUMBER "H3" at 208.854,212.5 h0.24; PIN_NUMBER "K2" at 207.854,210.5 h0.24